# Allegro board board_orcad.brd (continued)
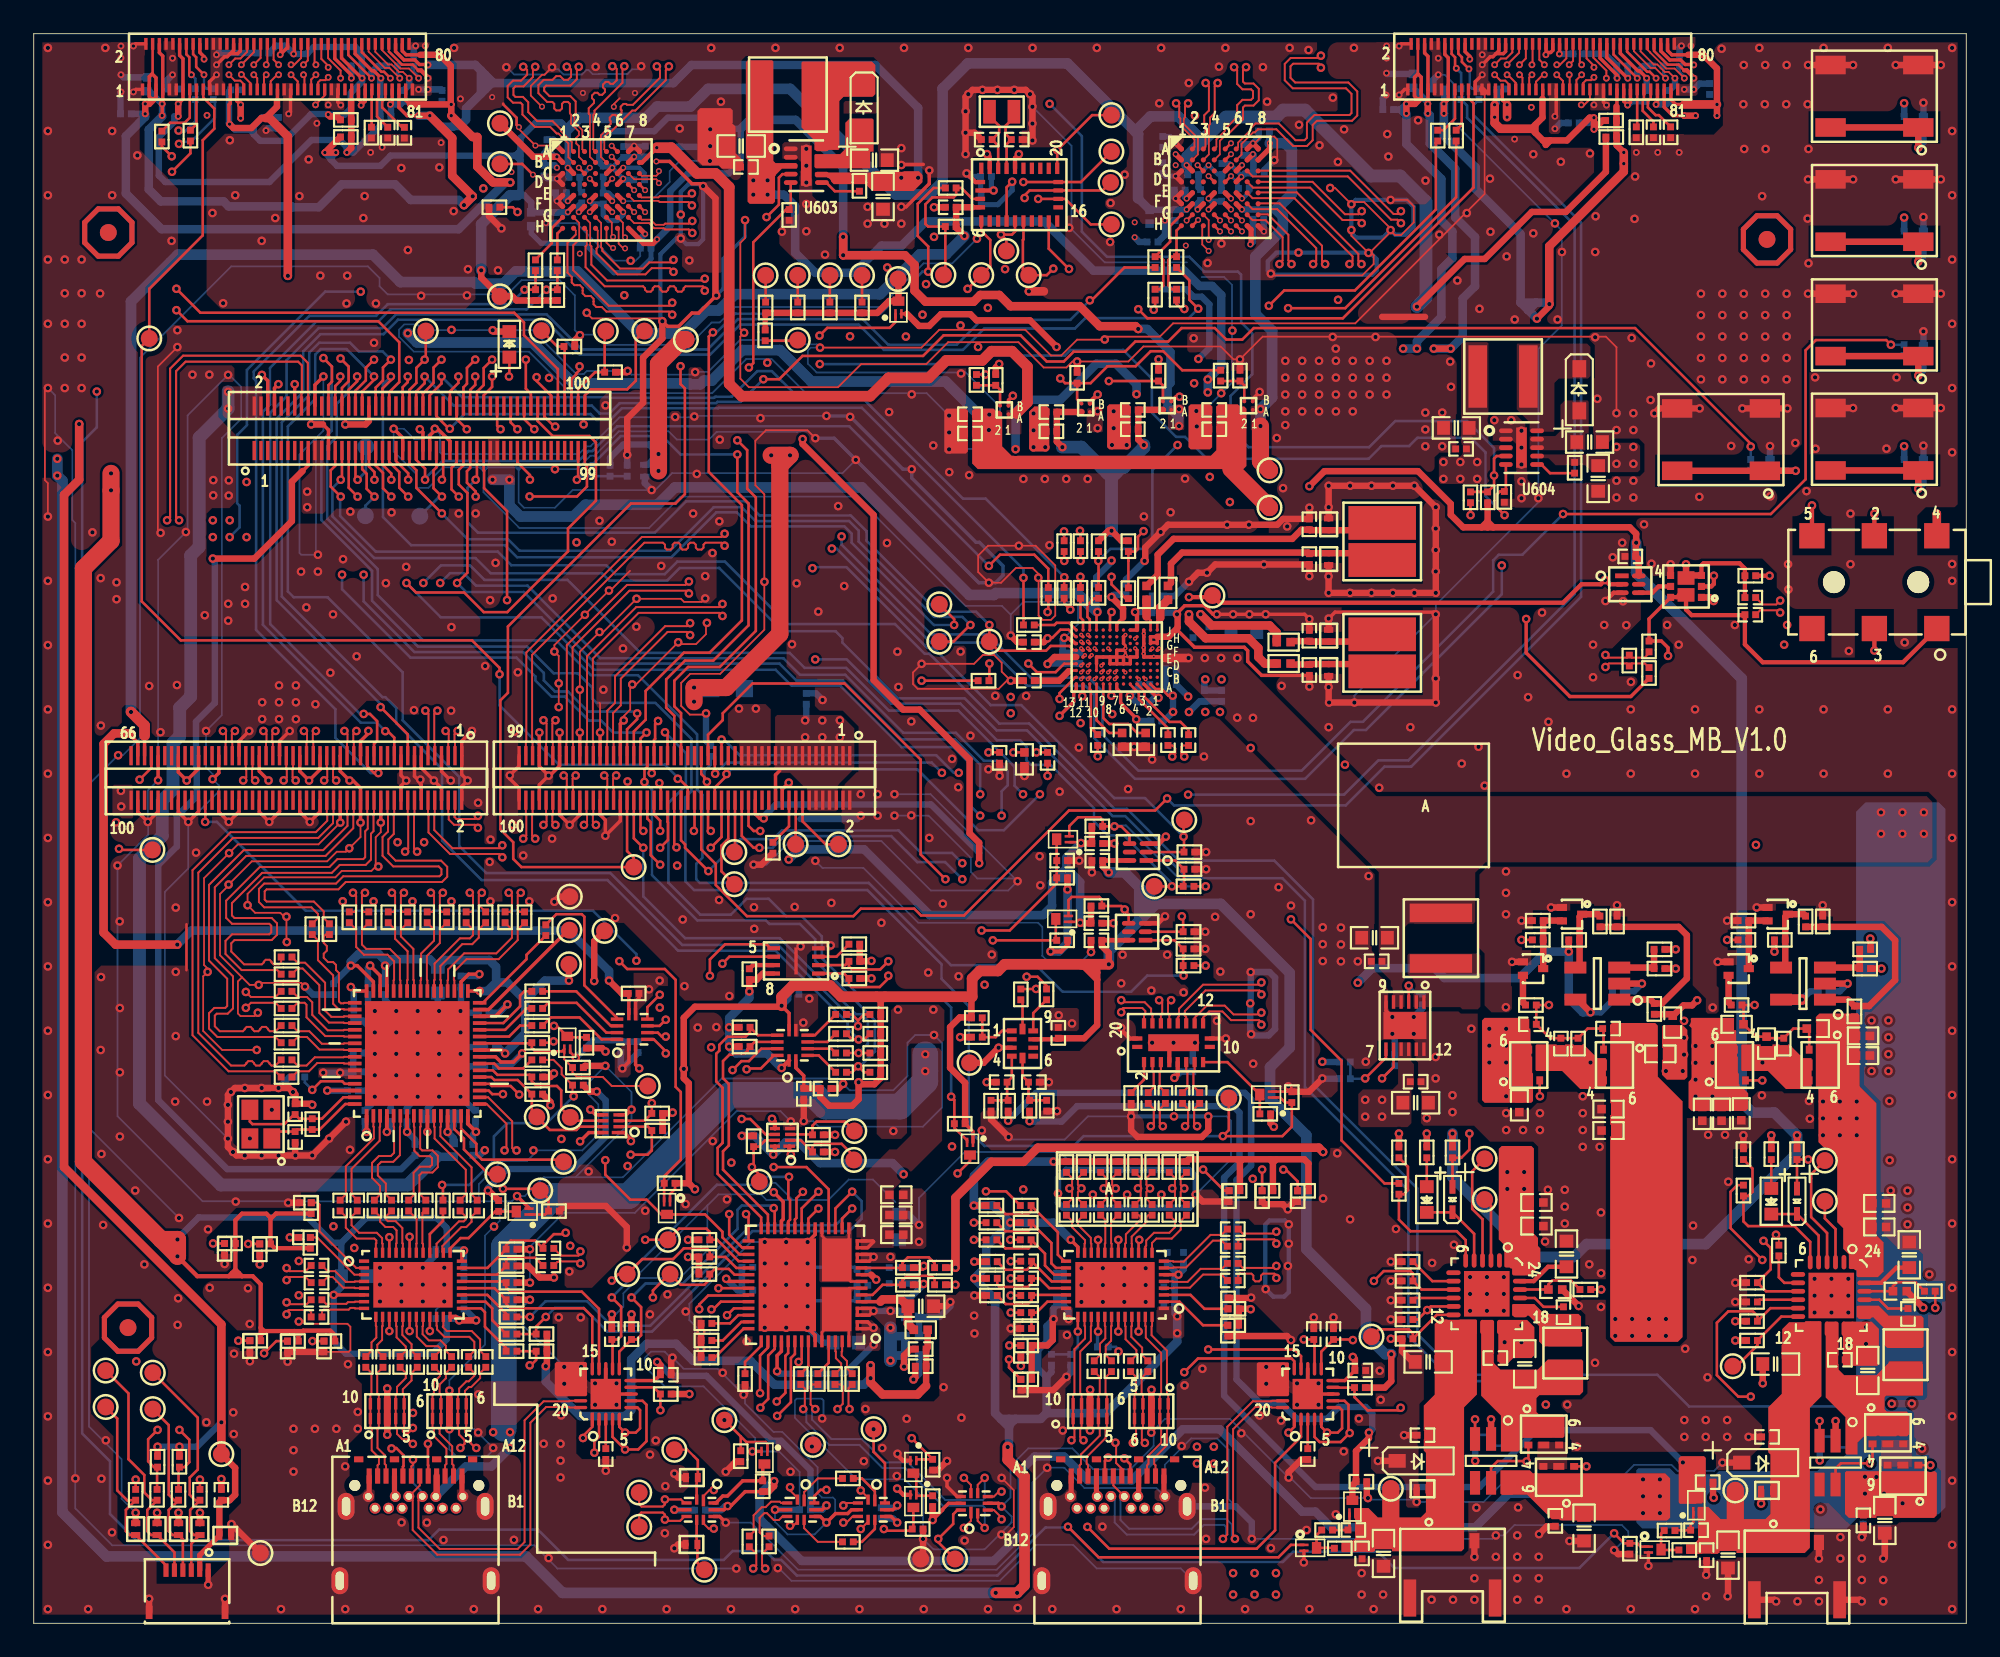
[diagram p0: board, top side]
## Routing (per net, layer and track width the routed paths; a pad name or vN(x,y) marks a point on that pad's centre or on a via; arc(x,y) is an arc through that point) (continued)
MIPI_CSI1_LANE0_N: length 23.3
  TOP w0.114: v1(28.16,43.31) 28.35,43.12 28.35,42.29 28.23,42.17 R748.2 ; J501.35 18.57,52.24 18.6,52.27 18.6,52.72 v1(18.41,52.9)
  ART03 w0.114: v1(18.41,52.9) 18.6,52.72 18.6,52.45 19.43,51.61 22.54,51.61 22.78,51.38 22.78,51.12 22.54,50.89 21.47,50.89 21.15,50.57 21.15,49.18 21.65,48.68 24.99,48.68 25.1,48.56 25.1,45.92 26.9,44.12 27.96,44.12 28.34,43.74 28.34,43.49 v1(28.16,43.31)
MIPI_CSI1_LANE0_P: length 23.3
  TOP w0.114: J501.33 18.97,52.24 18.94,52.27 18.94,52.72 v1(19.13,52.9) ; v1(28.87,43.31) 28.69,43.13 28.69,42.29 28.8,42.17 R749.2
  ART03 w0.114: v1(28.87,43.31) 28.68,43.49 28.68,43.88 28.11,44.46 27.04,44.46 25.45,46.06 25.45,48.71 25.13,49.02 21.79,49.02 21.49,49.32 21.49,50.43 21.61,50.55 22.68,50.55 23.12,50.98 23.12,51.52 22.68,51.96 19.57,51.96 18.94,52.59 18.94,52.72 v1(19.13,52.9)
MIPI_CSI1_LANE1_N: length 25
  TOP w0.114: J501.45 16.57,52.24 16.54,52.27 16.54,52.72 v1(16.73,52.9) ; v1(25.85,43.31) 26.04,43.12 26.04,42.29 25.92,42.17 R746.2
  ART03 w0.114: v1(25.85,43.31) 25.96,43.31 26.1,43.44 26.1,43.55 25.8,43.85 25.44,43.85 25.32,43.96 25.32,44.32 25.12,44.53 24.8,44.53 24.64,44.7 24.64,45.01 24.47,45.18 24.16,45.18 23.99,45.34 23.99,45.66 23.77,45.88 23.77,47.5 23.6,47.68 21.1,47.68 19.2,49.57 19.2,50.3 18.85,50.65 15.77,50.65 15.46,50.96 15.46,51.84 15.77,52.16 17.19,52.16 17.31,52.27 17.31,53.49 17.19,53.61 16.66,53.61 16.46,53.41 16.46,53.05 16.61,52.9 v1(16.73,52.9)
MIPI_CSI1_LANE1_P: length 25.1
  TOP w0.114: J501.47 16.17,52.24 16.2,52.27 16.2,52.72 v1(16.01,52.9) ; v1(26.56,43.31) 26.38,43.13 26.38,42.58 R747.2
  ART03 w0.114: v1(16.01,52.9) 16.12,53 16.12,53.55 16.51,53.95 17.33,53.95 17.65,53.63 17.65,52.13 17.33,51.81 15.91,51.81 15.8,51.7 15.8,51.1 15.91,50.99 18.99,50.99 19.55,50.44 19.55,49.71 21.24,48.02 23.74,48.02 24.11,47.65 24.11,46.02 26.44,43.69 26.44,43.42 v1(26.56,43.31)
MIPI_CSI1_LANE2_N: length 24.9
  TOP w0.114: J501.53 14.97,50.63 15,50.6 15,50.15 v1(14.81,49.97) ; v1(21.23,43.31) 21.42,43.12 21.42,42.29 21.31,42.17 R742.2
  ART03 w0.114: v1(14.81,49.97) 15,49.79 15,49.35 14.86,49.22 13.57,49.22 13.09,48.75 13.09,42.89 13.49,42.49 15.92,42.49 16.78,43.35 16.78,43.59 16.93,43.75 17.23,43.75 17.54,44.06 17.54,44.62 17.23,44.93 16.89,44.93 16.78,45.05 16.78,45.29 17.03,45.54 17.56,45.54 18.07,45.03 19.1,45.03 20.28,43.85 21.3,43.85 21.42,43.74 21.42,43.49 v1(21.23,43.31)
MIPI_CSI1_LANE2_P: length 24.9
  TOP w0.114: v1(15.53,49.97) 15.34,50.15 15.34,50.6 15.37,50.63 J501.51 ; R743.2 21.88,42.17 21.76,42.29 21.76,43.13 v1(21.94,43.31)
  ART03 w0.114: v1(15.53,49.97) 15.34,49.79 15.34,49.21 15.01,48.87 13.71,48.87 13.44,48.6 13.44,43.03 13.63,42.84 15.78,42.84 16.43,43.49 16.43,43.74 16.79,44.09 17.08,44.09 17.2,44.21 17.2,44.48 17.08,44.59 16.75,44.59 16.43,44.9 16.43,45.43 16.89,45.89 17.7,45.89 18.21,45.37 19.24,45.37 20.42,44.19 21.44,44.19 21.76,43.88 21.76,43.49 v1(21.94,43.31)
MIPI_CSI1_LANE3_N: length 24.7
  TOP w0.114: J501.59 13.77,52.24 13.8,52.27 13.8,52.72 v1(13.61,52.9) ; R740.2 19,42.17 19.11,42.29 19.11,43.12 v1(18.92,43.31)
  ART03 w0.114: v1(13.61,52.9) 13.8,52.72 13.8,52.59 13.29,52.08 12.98,52.08 11.35,50.45 11.35,48.8 12.08,48.07 12.08,43.56 11.86,43.35 11.86,42.24 13.02,41.08 15.87,41.08 18.55,43.76 18.98,43.76 19.1,43.64 19.1,43.48 v1(18.92,43.31)
MIPI_CSI1_LANE3_P: length 24.7
  TOP w0.114: v1(19.63,43.31) 19.45,43.13 19.45,42.29 19.57,42.17 R741.2 ; v1(14.33,52.9) 14.14,52.72 14.14,52.27 14.17,52.24 J501.57
  ART03 w0.114: v1(19.63,43.31) 19.44,43.5 19.44,43.79 19.13,44.1 18.41,44.1 15.73,41.42 13.16,41.42 12.21,42.38 12.21,43.21 12.42,43.42 12.42,48.21 11.69,48.94 11.69,50.31 13.12,51.74 13.44,51.74 14.14,52.44 14.14,52.72 v1(14.33,52.9)
MIPI_DSI0_CLK_N: length 68.9
  TOP w0.114: J301.83 31.97,52.24 31.94,52.27 31.94,57.85 35.31,61.21 38.67,61.21 v1(38.84,61.05)
  TOP w0.152: U601.H4 v2(70.32,82.51)
  ART03 w0.114: v1(38.84,61.05) 38.84,61.15 38.95,61.26 41.06,61.26 41.27,61.06 41.52,61.06 41.72,61.26 42.19,61.26 42.84,61.92 42.84,62.36 42.76,62.44 42.76,62.6 43.04,62.88 43.2,62.88 43.28,62.8 43.73,62.8 44.21,63.28 44.21,63.73 44.13,63.81 44.13,63.97 44.41,64.25 44.57,64.25 44.65,64.17 45.1,64.17 45.57,64.65 45.57,65.09 45.49,65.17 45.49,65.34 45.77,65.62 45.94,65.62 46.02,65.53 46.46,65.53 46.94,66.01 46.94,66.46 46.86,66.54 46.86,66.7 47.14,66.98 47.3,66.98 47.38,66.9 47.83,66.9 50.23,69.3 50.23,76.8 50.35,76.92 50.51,76.92 50.81,76.63 51.34,76.63 51.75,77.03 51.75,77.54 51.36,77.93 51.36,78.14 51.97,78.75 52.2,78.75 52.61,78.33 53.16,78.33 54.88,80.06 56.58,80.06 56.69,79.95 56.69,78.51 57,78.19 58.07,78.19 58.39,78.51 58.39,79.95 58.5,80.06 58.93,80.06 59.92,79.07 62.1,79.07 64.03,81 65.64,81 66.92,82.28 68.11,82.28 68.23,82.17 68.23,82.16 68.34,82.05 68.57,82.05 68.68,82.16 68.68,82.17 68.8,82.28 69.12,82.28 69.57,82.73 70.2,82.73 70.32,82.61 v2(70.32,82.51)
MIPI_DSI0_CLK_P: length 68.9
  TOP w0.114: J301.85 31.57,52.24 31.6,52.27 31.6,57.99 35.16,61.56 38.63,61.56 v1(38.84,61.76)
  TOP w0.152: U601.G4 v2(70.32,83.16)
  ART03 w0.114: v2(70.32,83.16) 70.23,83.07 69.43,83.07 68.98,82.62 66.78,82.62 65.5,81.34 63.89,81.34 61.96,79.41 60.06,79.41 59.07,80.4 58.36,80.4 58.05,80.09 58.05,78.65 57.93,78.53 57.15,78.53 57.03,78.65 57.03,80.09 56.72,80.4 54.74,80.4 53.01,78.68 52.76,78.68 52.34,79.09 51.82,79.09 51.02,78.28 51.02,77.79 51.41,77.4 51.41,77.18 51.2,76.97 50.95,76.97 50.66,77.26 50.21,77.26 49.89,76.94 49.89,69.45 47.69,67.24 47.52,67.24 47.44,67.32 47,67.32 46.52,66.84 46.52,66.4 46.6,66.32 46.6,66.16 46.32,65.88 46.16,65.88 46.08,65.96 45.63,65.96 45.15,65.48 45.15,65.03 45.23,64.95 45.23,64.79 44.95,64.51 44.79,64.51 44.71,64.59 44.27,64.59 43.79,64.11 43.79,63.67 43.87,63.59 43.87,63.42 43.59,63.15 43.43,63.15 43.35,63.23 42.9,63.23 42.42,62.74 42.42,62.3 42.5,62.22 42.5,62.06 42.05,61.61 38.99,61.61 v1(38.84,61.76)
MIPI_DSI0_LANE0_N: length 68.9
  TOP w0.114: v1(33.81,50.26) 34,50.08 34,49.63 33.97,49.6 J301.74
  TOP w0.152: U601.H2 v2(69.02,83.19)
  ART03 w0.089: v2(69.02,83.19) 68.72,83.49 67.85,83.49 67.29,84.05 66.77,84.05
  ART03 w0.102: 66.77,84.05 66.7,84.12 66.67,84.12
  ART03 w0.114: v1(33.81,50.26) 34,50.44 34,54.84 34.31,55.16 37.78,55.16 37.95,55.32 37.95,55.64 37.83,55.76 37.7,55.76 37.39,56.07 37.39,56.59 37.7,56.9 37.83,56.9 37.95,57.02 37.95,57.26 37.29,57.91 37.29,61.92 38.29,62.92 41.22,62.92 48.92,70.61 48.92,77.92 52.51,81.51 59.71,81.51 59.83,81.63 59.83,82.16 60.14,82.47 60.82,82.47 61.14,82.16 61.14,81.51 61.25,81.39 62.47,81.39 62.74,81.66 62.74,82.03 61.64,83.14 61.64,83.58 62.12,84.06 62.56,84.06 63.42,83.2 63.58,83.2 64.5,84.12 66.67,84.12
MIPI_DSI0_LANE0_P: length 68.8
  TOP w0.114: J301.72 34.37,49.6 34.34,49.63 34.34,50.08 v1(34.53,50.26)
  TOP w0.152: U601.G2 v2(68.34,83.16)
  ART03 w0.089: v2(68.34,83.16) 68.21,83.3 67.77,83.3 67.23,83.85 66.77,83.85
  ART03 w0.102: 66.77,83.85 66.7,83.78 66.67,83.78
  ART03 w0.114: v1(34.53,50.26) 34.34,50.44 34.34,50.79 34.46,50.9 34.58,50.9 34.7,51.02 34.7,51.25 34.58,51.36 34.46,51.36 34.34,51.48 34.34,51.71 34.46,51.82 34.58,51.82 34.7,51.93 34.7,52.16 34.58,52.28 34.46,52.28 34.34,52.39 34.34,54.7 34.46,54.81 37.92,54.81 38.29,55.18 38.29,55.79 37.98,56.1 37.85,56.1 37.73,56.22 37.73,56.44 37.85,56.56 37.98,56.56 38.29,56.87 38.29,57.4 37.63,58.06 37.63,61.78 38.43,62.57 41.37,62.57 49.27,70.47 49.27,77.78 52.66,81.17 59.86,81.17 60.17,81.49 60.17,82.02 60.28,82.13 60.68,82.13 60.79,82.02 60.79,81.37 61.11,81.05 62.61,81.05 63.08,81.52 63.08,82.17 61.98,83.28 61.98,83.44 62.26,83.72 62.42,83.72 63.28,82.86 63.73,82.86 63.84,82.97 64,82.97 64.01,82.97 64.17,82.97 64.33,83.13 64.33,83.29 64.33,83.3 64.33,83.46 64.64,83.78 65.77,83.78 65.98,83.57 66.23,83.57 66.44,83.78 66.67,83.78
MIPI_DSI0_LANE1_N: length 68.9
  TOP w0.102: U601.H3 69.27,82.79 69.27,81.74 v2(69.65,81.36)
  TOP w0.114: v1(40.83,59.72) 40.64,59.9 35.85,59.9 33.14,57.19 33.14,52.27 33.17,52.24 J301.77
  ART03 w0.114: v2(69.65,81.36) 69.49,81.51 69.29,81.51 69.02,81.24 69.02,80.32 68.65,79.95 67.88,79.95 67.56,80.26 67.56,80.9 67.45,81.02 67.22,81.02 67.11,80.9 67.11,80.26 66.79,79.95 64.55,79.95 63.75,79.14 63.75,76.97 63.43,76.66 62.6,76.66 61.16,78.11 59.44,78.11 58.48,77.15 55.54,77.15 55.23,77.47 55.23,77.98 55.11,78.09 54.41,78.09 53.78,77.46 53.78,77.29 54.36,76.71 54.36,76.27 53.99,75.9 53.55,75.9 52.97,76.48 52.81,76.48 52.65,76.32 52.65,76.16 53.22,75.58 53.22,75.14 52.86,74.77 52.41,74.77 51.84,75.35 51.68,75.35 51.26,74.93 51.26,74.43 51.56,74.12 51.56,73.48 51.26,73.17 51.26,72.47 51.56,72.17 51.56,71.52 51.26,71.22 51.26,70.87 51.56,70.57 51.56,69.92 51.26,69.62 51.26,68.52 42.64,59.9 41.99,59.9 41.88,59.79 41.88,59.68 41.76,59.56 41.53,59.56 41.42,59.68 41.42,59.79 41.31,59.9 41.01,59.9 v1(40.83,59.72)
MIPI_DSI0_LANE1_P: length 69
  TOP w0.102: v2(69.65,82.01) 69.65,83.19 U601.G3
  TOP w0.114: v1(40.83,60.43) 40.64,60.24 35.71,60.24 32.8,57.33 32.8,52.27 32.77,52.24 J301.79
  ART03 w0.114: v1(40.83,60.43) 41.01,60.24 42.5,60.24 50.91,68.66 50.91,69.76 51.22,70.06 51.22,70.43 50.91,70.73 50.91,71.36 51.22,71.66 51.22,72.03 50.91,72.33 50.91,73.31 51.22,73.62 51.22,73.98 50.91,74.29 50.91,75.07 51.53,75.69 51.98,75.69 52.56,75.12 52.72,75.12 52.88,75.28 52.88,75.44 52.3,76.02 52.3,76.46 52.67,76.82 53.11,76.82 53.69,76.25 53.85,76.25 54.01,76.41 54.01,76.57 53.44,77.15 53.44,77.6 54.27,78.43 55.26,78.43 55.57,78.12 55.57,77.61 55.68,77.5 58.34,77.5 59.29,78.45 61.3,78.45 62.75,77 63.29,77 63.41,77.11 63.41,79.28 64.41,80.29 66.65,80.29 66.76,80.4 66.76,81.05 67.08,81.36 67.59,81.36 67.91,81.05 67.91,80.4 68.02,80.29 68.5,80.29 68.68,80.46 68.68,81.38 69.15,81.85 69.49,81.85 v2(69.65,82.01)
MIPI_DSI0_LANE2_N: length 69.3
  TOP w0.114: v1(38.91,59.29) 38.73,59.11 37.43,59.11 34.46,56.14 34.46,54.56 34,54.1 34,52.27 33.97,52.24 J301.73
  TOP w0.152: U601.H5 v2(70.97,82.51)
  ART03 w0.089: 71.03,81.76 71.1,81.84 71.1,82.38 v2(70.97,82.51)
  ART03 w0.102: 71.03,81.74 71.03,81.76
  ART03 w0.114: 71.03,81.74 71.03,81.5 70.92,81.39 70.88,81.39 70.76,81.27 70.76,81.05 70.88,80.93 70.92,80.93 71.03,80.82 71.03,80.59 70.92,80.47 70.88,80.47 70.76,80.36 70.76,80.13 70.88,80.02 70.92,80.02 71.03,79.9 71.03,79.5 71.54,78.99 71.54,76.21 71.41,76.09 70.49,76.09 70.37,76.2 70.37,78.6 69.7,79.27 64.94,79.27 64.37,78.7 64.37,75.61 63.99,75.23 62.95,75.23 61.17,77.01 59.26,77.01 58.74,76.49 55.46,76.49 52.51,73.55 52.51,67.45 43.79,58.73 39.47,58.73 v1(38.91,59.29)
MIPI_DSI0_LANE2_P: length 69.4
  TOP w0.114: v1(38.91,58.58) 38.72,58.77 37.57,58.77 34.8,56 34.8,54.42 34.34,53.96 34.34,52.27 34.37,52.24 J301.71
  TOP w0.152: U601.G5 v2(70.97,83.16)
  ART03 w0.089: v2(70.97,83.16) 71.3,82.84 71.3,81.84 71.37,81.76
  ART03 w0.102: 71.37,81.74 71.37,81.76
  ART03 w0.114: 71.37,81.74 71.37,79.65 71.88,79.14 71.88,76.07 71.55,75.74 70.35,75.74 70.03,76.06 70.03,78.45 69.56,78.93 65.08,78.93 64.71,78.56 64.71,75.47 64.13,74.88 62.81,74.88 61.02,76.67 59.4,76.67 58.88,76.15 55.6,76.15 52.86,73.4 52.86,67.31 43.93,58.38 39.33,58.38 39.1,58.61 38.94,58.61 v1(38.91,58.58)
MIPI_DSI0_LANE3_N: length 69.3
  TOP w0.114: J301.97 29.17,52.24 29.2,52.27 29.2,57.55 36.05,64.4 40.76,64.4 v1(40.95,64.59)
  TOP w0.152: U601.H6 v2(71.62,82.51)
  ART03 w0.114: v1(40.95,64.59) 41.04,64.5 41.44,64.5 47.52,70.59 47.52,78.74 51.14,82.35 51.52,82.35 52.56,83.4 59.97,83.4 61.91,85.33 72.15,85.33 72.62,84.86 72.62,83.51 v2(71.62,82.51)
MIPI_DSI0_LANE3_P: length 69.3
  TOP w0.114: v1(40.95,63.88) 40.78,64.06 39.82,64.06 39.7,63.94 39.7,63.77 39.59,63.65 39.36,63.65 39.25,63.77 39.25,63.94 39.13,64.06 38.9,64.06 38.79,63.94 38.79,63.77 38.67,63.65 38.45,63.65 38.33,63.77 38.33,63.94 38.22,64.06 37.99,64.06 37.87,63.94 37.87,63.77 37.76,63.65 37.53,63.65 37.42,63.77 37.42,63.94 37.3,64.06 36.19,64.06 29.54,57.41 29.54,52.27 29.57,52.24 J301.95
  TOP w0.152: U601.G6 v2(71.62,83.16)
  ART03 w0.114: v1(40.95,63.88) 40.95,63.99 41.12,64.16 41.58,64.16 47.87,70.45 47.87,78.6 51.28,82.01 51.66,82.01 52.7,83.05 60.12,83.05 62.05,84.99 72.01,84.99 72.28,84.72 72.28,83.65 71.78,83.16 v2(71.62,83.16)
MIPI_DSI1_CLK_N: length 69
  TOP w0.102: 33.36,81.48 33.36,81.5 33.43,81.57 33.43,82.57 U602.H4
  TOP w0.114: v1(30.21,53.53) 30.4,53.35 30.4,52.27 30.37,52.24 J301.91 ; 33.36,81.48 33.36,81.22 34.61,79.97 36.26,79.97 36.63,80.34 37.71,80.34 v1(37.92,80.12)
  ART03 w0.114: v1(30.21,53.53) 30.31,53.63 30.31,54.12 30.2,54.23 30.16,54.23 30.04,54.35 30.04,54.57 30.16,54.69 30.2,54.69 30.31,54.8 30.31,55.03 30.2,55.15 30.16,55.15 30.04,55.26 30.04,55.49 30.16,55.6 30.2,55.6 30.31,55.72 30.31,56.28 30.14,56.45 29.98,56.45 29.94,56.41 29.78,56.41 29.62,56.58 29.62,56.74 29.65,56.77 29.65,56.94 29.29,57.3 28.97,57.3 28.75,57.09 28.51,57.09 28.3,57.3 20.1,57.3 19.79,57.62 19.79,58.27 20.1,58.58 29.41,58.58 38.44,67.62 38.44,70.32 38.21,70.55 36.99,70.55 36.68,70.86 36.68,72.1 36.99,72.41 40.26,72.41 40.37,72.53 40.37,72.87 40.21,73.03 36.99,73.03 36.68,73.35 36.68,74.9 36.45,75.13 36.45,78.21 37.55,79.31 37.91,79.31 38.15,79.55 38.15,79.89 v1(37.92,80.12)
MIPI_DSI1_CLK_P: length 69.1
  TOP w0.102: 33.7,81.48 33.7,81.5 33.63,81.57 33.63,83.02 U602.G4
  TOP w0.114: v1(30.93,53.53) 30.74,53.35 30.74,52.27 30.77,52.24 J301.89 ; v1(37.92,80.83) 37.77,80.68 36.48,80.68 36.12,80.31 34.75,80.31 33.7,81.36 33.7,81.48
  ART03 w0.114: v1(37.92,80.83) 38.49,80.26 38.49,79.41 38.05,78.97 37.7,78.97 36.79,78.06 36.79,75.28 37.02,75.05 37.02,73.49 37.13,73.38 40.35,73.38 40.72,73.01 40.72,72.38 40.4,72.07 37.13,72.07 37.02,71.95 37.02,71.01 37.13,70.89 38.36,70.89 38.79,70.46 38.79,67.48 29.55,58.24 20.24,58.24 20.13,58.13 20.13,57.76 20.24,57.65 29.43,57.65 30.65,56.42 30.65,53.81 v1(30.93,53.53)
MIPI_DSI1_LANE0_N: length 68.5
  TOP w0.102: 32.09,82.28 32.13,82.32 32.13,82.57 U602.H2
  TOP w0.114: J301.86 31.57,49.6 31.6,49.63 31.6,50.08 v1(31.41,50.26) ; v1(37.85,77.58) 37.66,77.76 33.94,77.76 33.67,78.04 33.51,78.04 33.51,78.03 33.35,78.03 33.18,78.19 33.18,78.36 33.19,78.36 33.19,78.52 33.02,78.68 32.86,78.68 32.86,78.68 32.7,78.68 32.54,78.84 32.54,79 32.54,79.01 32.54,79.17 32.38,79.33 32.22,79.33 32.21,79.33 32.05,79.33 31.89,79.49 31.89,79.65 31.89,79.65 31.89,79.81 31.64,80.07 31.64,81.83 32.09,82.28
  ART03 w0.114: v1(37.85,77.58) 38.03,77.76 41.35,77.76 41.67,78.08 41.67,79.01 42.11,79.45 42.96,79.45 43.11,79.3 43.11,78.36 42.99,78.25 42.86,78.25 42.55,77.94 42.55,77.42 42.86,77.11 42.99,77.11 43.11,76.99 43.11,75.96 42.86,75.71 39.81,75.71 39.5,75.39 39.5,74.62 39.81,74.3 41.13,74.3 41.34,74.09 41.34,73.17 41.65,72.85 42.62,72.85 42.74,72.74 42.74,72.35 42.62,72.23 41.65,72.23 41.34,71.92 41.34,71.49 41.12,71.26 39.85,71.26 39.54,70.95 39.54,69.96 39.86,69.64 39.86,67.74 34.86,62.74 34.86,59.78 34.75,59.66 34.47,59.66 34.35,59.78 34.35,60.24 34.04,60.56 33.52,60.56 33.21,60.24 33.21,59.63 32.88,59.3 31.85,59.3 31.37,58.82 31.37,58.22 31.69,57.9 33.98,57.9 34.09,57.78 34.09,57.55 33.98,57.44 31.9,57.44 31.58,57.12 31.58,50.43 v1(31.41,50.26)
MIPI_DSI1_LANE0_P: length 68.6
  TOP w0.102: 32.33,82.04 32.33,83.02 U602.G2
  TOP w0.114: v1(37.85,78.29) 37.66,78.11 34.09,78.11 31.98,80.21 31.98,81.69 32.33,82.04 ; v1(32.13,50.26) 31.94,50.08 31.94,49.63 31.97,49.6 J301.84
  ART03 w0.114: v1(32.13,50.26) 31.93,50.46 31.93,56.98 32.05,57.1 34.12,57.1 34.44,57.41 34.44,57.92 34.12,58.24 31.83,58.24 31.71,58.37 31.71,58.67 31.99,58.96 33.02,58.96 33.55,59.49 33.55,60.1 33.67,60.22 33.9,60.22 34.01,60.1 34.01,59.63 34.33,59.32 34.89,59.32 35.2,59.63 35.2,62.6 40.2,67.59 40.2,69.78 39.88,70.1 39.88,70.81 39.99,70.92 41.26,70.92 41.68,71.34 41.68,71.78 41.8,71.89 42.76,71.89 43.08,72.2 43.08,72.88 42.76,73.2 41.8,73.2 41.68,73.31 41.68,74.23 41.27,74.64 39.96,74.64 39.84,74.76 39.84,75.25 39.96,75.37 43,75.37 43.45,75.81 43.45,77.14 43.13,77.45 43,77.45 42.89,77.56 42.89,77.79 43,77.91 43.13,77.91 43.45,78.22 43.45,79.44 43.1,79.79 41.97,79.79 41.33,79.15 41.33,78.22 41.21,78.11 38.03,78.11 v1(37.85,78.29)
MIPI_DSI1_LANE1_N: length 69.5
  TOP w0.102: 32.71,81.61 32.71,81.64 32.78,81.71 32.78,82.57 U602.H3
  TOP w0.114: v1(33.33,47.33) 33.14,47.51 33.14,47.96 33.17,47.99 J301.78 ; v1(39.78,79) 39.78,79.15 39.66,79.26 38.63,79.26 38.52,79.15 38.52,79.06 38.41,78.94 38.18,78.94 38.06,79.06 38.06,79.15 37.95,79.26 37.72,79.26 37.61,79.15 37.61,79.06 37.49,78.94 37.26,78.94 37.15,79.06 37.15,79.15 37.03,79.26 36.81,79.26 36.69,79.15 36.69,79.06 36.58,78.94 36.35,78.94 36.23,79.06 36.23,79.15 36.12,79.26 33.85,79.26 32.71,80.4 32.71,81.61
  ART03 w0.114: v1(39.78,79) 39.96,79.18 40.35,79.18 41.81,80.64 43.56,80.64 44.08,80.12 44.08,71.58 42.52,70.01 42.52,68.47 38.4,64.36 37.73,64.36 36.25,62.89 36.25,57.16 35.65,56.55 33.43,56.55 32.8,55.93 32.8,49.23 34.51,47.53 34.51,45.5 34.94,45.07 34.94,42.84 34.81,42.71 33.34,42.71 33.14,42.91 33.14,43.83 33.35,44.03 33.35,44.28 33.14,44.49 33.14,44.74 33.35,44.95 33.35,45.2 33.14,45.41 33.14,45.65 33.35,45.86 33.35,46.11 33.14,46.32 33.14,47.14 v1(33.33,47.33)
MIPI_DSI1_LANE1_P: length 69.6
  TOP w0.102: 33.05,81.61 33.05,81.64 32.98,81.71 32.98,83.02 U602.G3
  TOP w0.114: v1(32.61,47.33) 32.8,47.51 32.8,47.96 32.77,47.99 J301.80 ; v1(39.78,79.71) 39.67,79.6 33.99,79.6 33.05,80.54 33.05,81.61
  ART03 w0.114: v1(32.61,47.33) 32.8,47.14 32.8,42.76 33.2,42.37 34.95,42.37 35.28,42.7 35.28,45.21 34.85,45.64 34.85,47.67 33.15,49.38 33.15,55.78 33.57,56.21 35.79,56.21 36.6,57.02 36.6,62.74 37.87,64.02 38.55,64.02 42.86,68.33 42.86,69.87 44.42,71.43 44.42,80.27 43.7,80.99 41.67,80.99 40.21,79.53 39.96,79.53 v1(39.78,79.71)
MIPI_DSI1_LANE2_N: length 68.5
  TOP w0.102: v2(34.34,81.53) 34.26,81.53 33.95,81.85 U602.H5
  TOP w0.114: v1(29.01,46.52) 29.2,46.7 29.2,47.96 29.17,47.99 J301.98
  ART03 w0.114: v1(29.01,46.52) 29.08,46.58 29.08,47.07 28.92,47.24 28.92,47.53 29.08,47.69 29.08,48.75 28.69,49.13 28.69,50.7 27.43,51.96 27.43,53.87 27.32,53.99 26.71,53.99 25.32,55.37 16.98,55.37 16.52,55.83 16.52,59.76 17.57,60.81 26.01,60.81 28.22,63.02 29.92,63.02 34.37,67.46 34.37,75.99 33.5,76.86 31.56,76.86 31.2,77.23 31.2,80.04 31.58,80.42 31.85,80.42 31.97,80.54 31.97,80.59 32.08,80.7 32.31,80.7 32.43,80.59 32.43,80.54 32.54,80.42 32.77,80.42 32.88,80.54 32.88,80.59 33,80.7 33.23,80.7 33.34,80.59 33.34,80.54 33.45,80.42 34.16,80.42 34.34,80.6 v2(34.34,81.53)
MIPI_DSI1_LANE2_P: length 68.7
  TOP w0.102: v2(34.34,82.18) 34.34,82.23 34.26,82.31 34.26,83.04 U602.G5
  TOP w0.114: v1(29.73,46.52) 29.54,46.7 29.54,47.96 29.57,47.99 J301.96
  ART03 w0.114: v1(29.73,46.52) 29.42,46.82 29.42,48.89 29.04,49.28 29.04,50.85 27.78,52.11 27.78,54.02 27.46,54.33 26.85,54.33 25.47,55.71 17.12,55.71 16.87,55.97 16.87,59.61 17.72,60.46 26.15,60.46 28.36,62.67 30.06,62.67 34.71,67.32 34.71,76.13 33.64,77.2 31.71,77.2 31.54,77.37 31.54,79.89 31.73,80.08 34.31,80.08 34.68,80.46 34.68,81.84 v2(34.34,82.18)
MIPI_DSI1_LANE3_N: length 68.7
  TOP w0.102: U602.H6 34.67,82.63 34.67,81.79 34.95,81.51 v2(35.05,81.51)
  TOP w0.114: v1(30.21,47.33) 30.4,47.51 30.4,47.96 30.37,47.99 J301.92
  ART03 w0.114: v1(30.21,47.33) 30.4,47.51 30.4,48.17 30.2,48.37 30.2,48.63 30.4,48.83 30.4,49.23 29.71,49.92 29.71,51.84 29.01,52.53 29.01,54.23 28.11,55.13 27,55.13 25.79,56.34 18.33,56.34 17.64,57.03 17.64,59.05 18.46,59.87 28.73,59.87 35.7,66.84 35.7,74.43 35.47,74.66 35.47,77.58 35.18,77.88 33.28,77.88 32.62,78.54 32.62,79.23 32.93,79.54 36.16,79.54 36.3,79.68 36.3,80.18 36.19,80.3 36.05,80.3 35.94,80.41 35.94,80.64 36.05,80.76 36.19,80.76 36.3,80.87 36.3,81.14 35.78,81.66 35.2,81.66 v2(35.05,81.51)
MIPI_DSI1_LANE3_P: length 68.5
  TOP w0.102: v2(35.05,82.16) 34.92,82.29 34.92,83.03 U602.G6
  TOP w0.114: v1(30.93,47.33) 30.74,47.51 30.74,47.96 30.77,47.99 J301.90
  ART03 w0.114: v2(35.05,82.16) 35.21,82 35.92,82 36.65,81.28 36.65,79.54 36.3,79.2 33.07,79.2 32.96,79.08 32.96,78.69 33.43,78.22 35.32,78.22 35.81,77.73 35.81,74.81 36.04,74.58 36.04,66.7 28.87,59.53 18.6,59.53 17.98,58.91 17.98,57.17 18.47,56.68 25.93,56.68 27.14,55.47 28.25,55.47 29.36,54.37 29.36,52.67 30.05,51.98 30.05,50.06 30.74,49.37 30.74,47.51 v1(30.93,47.33)
OTG_EN: length 54.4
  TOP w0.152: U803.3 v1(81.51,37.8) ; J301.52 38.37,46.41 38.61,46.18 38.61,45.97 v1(39.99,44.59)
  ART03 w0.122: v1(55.04,45.06) 55.61,45.63 56.96,45.63 57.61,44.98 60.13,44.98 61.06,44.05 66.55,44.05 66.73,44.22 76.12,44.22 80.27,40.07 80.27,39.03 v1(81.51,37.8)
  BOTTOM w0.152: v1(55.04,45.06) 54.43,45.67 52.59,45.67 51.26,47 44.34,47 43.83,46.49 41.88,46.49 v1(39.99,44.59) ; v1(81.51,37.8) 82,37.3 R818.2
PA_BC_R_D+: length 17.4
  TOP w0.114: v1(56.37,5.65) 55.95,6.07 U502.2 ; R805.1 45.71,13.92 45.71,12.83 45.73,12.81 v1(45.61,12.7)
  BOTTOM w0.114: v1(56.37,5.65) 56.37,6.85 56.25,6.97 53.89,6.97 51.66,9.2 50.32,9.2 48.95,10.57 47.15,10.57 45.8,11.93 45.8,12.51 v1(45.61,12.7)
PA_BC_R_D-: length 17.2
  TOP w0.114: v1(46.32,12.7) 46.05,12.97 46.05,14.04 46.16,14.16 R806.1 ; v1(56.37,8.62) 55.95,8.2 U502.6
  BOTTOM w0.114: v1(56.37,8.62) 56.37,7.42 56.25,7.31 54.03,7.31 51.8,9.54 50.46,9.54 49.09,10.92 47.29,10.92 46.14,12.07 46.14,12.51 v1(46.32,12.7)
PA_DP_MODE: length 14.9
  TOP w0.152: v1(46.51,24.59) 45.92,23.99 U801.21 ; R524.2 v1(57.89,22.73)
  ART03 w0.122: v1(57.89,22.73) 56.69,22.73 56.21,23.22 55.54,23.22 54.32,24.43 51.66,24.43 50.71,23.48 47.62,23.48 v1(46.51,24.59)
PA_POL: length 17.7
  TOP w0.152: v1(45.59,25.58) 45.21,25.2 45.21,24.03 45.12,23.94 U801.23 ; v1(56.44,25.61) 57.64,25.61 R521.2
  ART03 w0.122: v1(45.59,25.58) 46.11,26.09 46.88,26.09 47.48,25.5 47.48,24.72 48.09,24.1 50.33,24.1 51.32,25.09 55.32,25.09 55.84,25.61 v1(56.44,25.61)
PA_PP_EXT_ENABLE: length 87.6
  TOP w0.152: U801.48 45.12,15.96 44.88,15.72 44.88,13.11 v1(44.07,12.29) ; R853.2 v1(100.38,40.51)
  ART03 w0.122: v1(44.07,12.29) 45.28,13.5 50.68,13.5 51.35,12.83 71.41,12.83 72,13.42 78.03,13.42 79.62,11.84 81.48,11.84 82.02,12.37 82.02,18.82 84.57,21.38 91.55,21.38 94.54,24.37 94.54,38.81 96.24,40.51 v1(100.38,40.51)
PA_R_D+: length 34.1
  TOP w0.114: v1(57.37,6.16) 57.37,6.26 56.92,6.71 U502.3 ; U504.20 73.38,12.79 73.36,12.82 72.41,12.82 71.09,11.51 71.09,5.11 v1(71.2,5) ; J502.A6 64,8.17 J502.B6
  ART03 w0.114: J502.B6 64.42,7.29 64.42,4.86 63.92,4.37 59.82,4.37 58.9,5.28 58.9,6.38 58.5,6.78 57.99,6.78 v1(57.37,6.16)
  BOTTOM w0.114: J502.B6 64.42,7.29 64.42,6.12 64.94,5.6 68.64,5.6 69.21,6.17 70.7,6.17 71.02,5.86 71.02,5.19 v1(71.2,5)
PA_R_D-: length 38
  TOP w0.114: U504.19 73.38,13.19 73.36,13.16 72.26,13.16 70.75,11.65 70.75,5.26 v1(70.49,5) ; J502.A7 64.5,9.16 64.16,9.5 64.16,10.66 v1(64.12,10.7) ; U502.5 56.92,7.51 57.21,7.81 v1(57.37,7.81)
  ART03 w0.114: v1(57.37,7.81) 58.05,7.12 58.64,7.12 59.25,6.52 59.25,5.43 59.96,4.71 63.78,4.71 64.07,5 64.07,7.29 J502.B7 63.85,8.73 64.16,9.04 64.16,10.66 v1(64.12,10.7)
  BOTTOM w0.114: v1(70.49,5) 70.68,5.19 70.68,5.72 70.56,5.83 69.36,5.83 68.78,5.26 64.79,5.26 64.07,5.98 64.07,7.29 J502.B7
PA_R_HPDIN: length 38.9
  TOP w0.152: U801.30 42,22.27 41.22,23.04 v1(41.22,24.26) ; v1(54.76,26.67) 55.5,27.41 Q502.3 ; R523.2 v1(55.73,22.73)
  ART03 w0.122: v1(41.22,24.26) 42.37,23.11 50.97,23.11 52.01,24.16 54.08,24.16 55.5,22.73 v1(55.73,22.73)
  ART06 w0.122: v1(64.3,16.11) 60.25,16.11 58.41,17.95 57.66,17.95 56.49,19.12 56.49,21.97 v1(55.73,22.73) 55.22,23.24 55.22,26.21 v1(54.76,26.67)
  BOTTOM w0.152: R512.2 64.15,16.38 64.3,16.23 v1(64.3,16.11)
PA_USB3: length 14.5
  TOP w0.152: R522.2 v1(55.73,23.75) ; v1(46.51,25.59) 45.52,24.59 U801.22
  ART03 w0.122: v1(46.51,25.59) 46.52,25.59 47.11,25 47.11,24.52 47.84,23.79 50.53,23.79 51.48,24.74 54.97,24.74 55.73,23.98 v1(55.73,23.75)
PB_BC_L_D+: length 11.5
  TOP w0.114: U405.2 49.46,7.44 v1(49.02,7.87) ; R807.1 47.84,14.16 47.96,14.04 47.96,13.01 v1(47.65,12.7)
  ART03 w0.114: v1(49.02,7.87) 49.02,7.02 49.14,6.9 49.69,6.9 49.92,7.13 49.92,9.61 49.21,10.32 48.94,10.32 48.75,10.51 48.75,10.78 48.57,10.97 48.29,10.97 48.1,11.15 48.1,11.43 47.89,11.64 47.89,12.58 47.78,12.7 v1(47.65,12.7)
PB_BC_L_D-: length 11.2
  TOP w0.114: v1(48.36,12.7) 48.3,12.76 48.3,13.94 R808.1 ; v1(49.02,5.59) 49.46,6.02 U405.6
  ART03 w0.114: v1(48.36,12.7) 48.23,12.58 48.23,11.79 50.26,9.76 50.26,6.99 49.83,6.56 49.14,6.56 49.02,6.45 v1(49.02,5.59)
PB_DP_MODE: length 25.2
  TOP w0.152: U801.16 47.92,23.99 v1(48.51,24.59) ; R408.2 v1(29.41,18.16)
  BOTTOM w0.152: v1(29.41,18.16) 30.34,19.09 32.8,19.09 34.25,17.64 36.55,17.64 42.5,23.6 47.52,23.6 v1(48.51,24.59)
PB_L_D+: length 58.9
  TOP w0.114: U405.3 48.14,7.13 v1(47.99,6.99) ; J401.B6 22.81,7.29 22.81,5.67 24.07,4.41 28.69,4.41 29.1,4.82 29.1,12.03 30.23,13.16 31.74,13.16 31.77,13.19 U402.19 ; v1(22.48,9.7) 22.48,9.4 22.38,9.3 J401.A6
  ART03 w0.114: v1(47.99,6.99) 48.12,7.12 48.12,7.44 48.01,7.56 47.89,7.56 47.78,7.67 47.78,7.9 47.89,8.01 48.01,8.01 48.12,8.13 48.12,8.37 47.95,8.54 47.79,8.54 47.71,8.46 47.55,8.46 47.38,8.62 47.38,8.78 47.46,8.86 47.46,9.03 47.14,9.35 46.9,9.35 46.78,9.24 46.78,8.84 46.67,8.73 46.44,8.73 46.32,8.84 46.32,9.24 46.21,9.35 45.51,9.35 45.28,9.58 43.51,9.58 43.3,9.37 41.48,9.37 39.42,11.43 36.18,11.43 35.51,12.1 32.77,12.1 32.04,12.82 30.23,12.82 29.5,12.1 26.32,12.1 24.11,9.88 24.11,9.72 24.25,9.58 24.25,9.42 24.08,9.26 23.92,9.26 23.78,9.4 23.62,9.4 23.46,9.23 23.46,9.07 23.6,8.94 23.6,8.77 23.44,8.61 23.28,8.61 23.14,8.75 22.98,8.75 22.81,8.58 22.81,7.75 J401.B6
  BOTTOM w0.114: v1(22.48,9.7) 22.5,9.68 22.5,8.31 23.03,7.78 J401.B6
